# Altium PCB betrusted_evt2b.PcbDoc (part 6 of 6)
Units mm, origin at the board's own origin, x right, y up, seen from the top; angles counter-clockwise.
Board outline 61.95 x 62.6 mm, 6 copper layers (L1, L2, L3, L6, L7, L8), stack 0.691 mm thick; 387 components, 291 nets, 1871 pads, 1866 vias.
Unrouted connection lines stored in the file: 41.
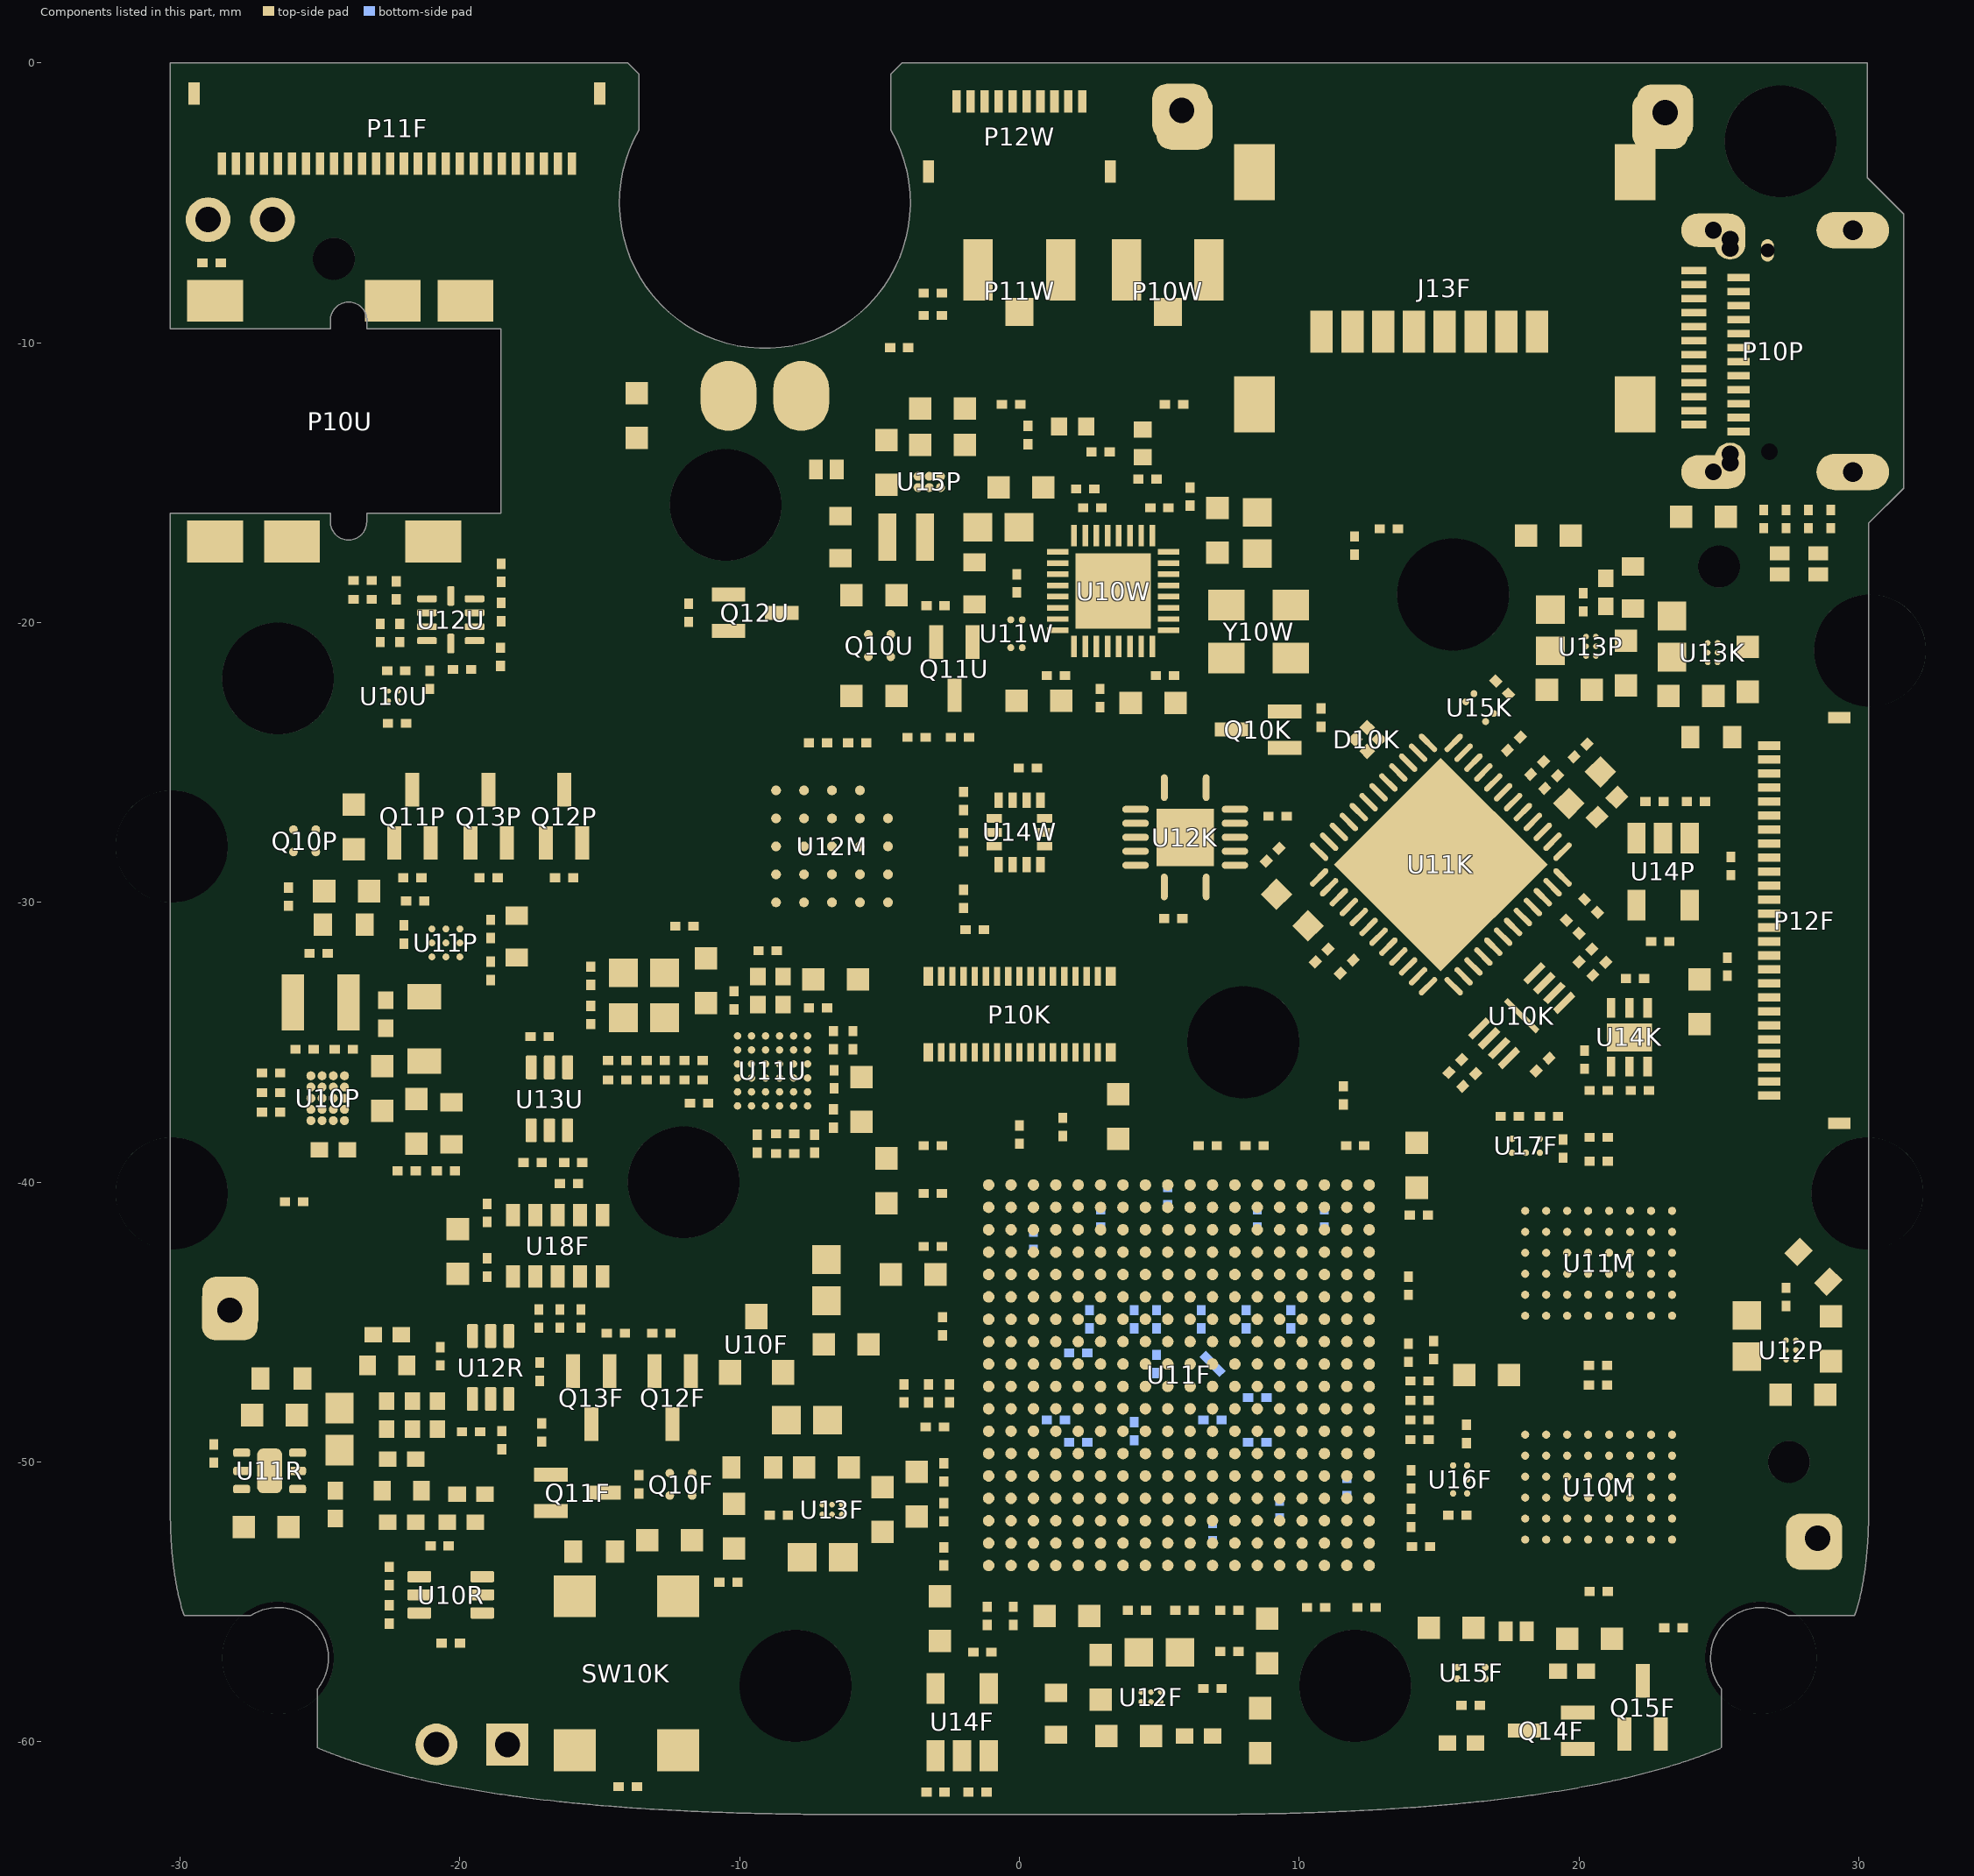
[diagram p10: the components of this part, seen from the top]

## Silkscreen, mask and mechanical layers (free items; w line width, h text height) (continued)
Fab drawing:
  drawing of 419 lines, arcs and shapes, not listed
  text "Layer" at 50.472,13.521 h1
  text "Name" at 57.479,13.521 h1
  text "Material" at 72.15,13.521 h1
  text "Thickness" at 82.322,13.521 h1
  text "Constant" at 93.327,13.521 h1
  text "Gerber" at 103,13.521 h1
  text "Board Layer Stack" at 111.006,13.521 h1
  text "TopOverlay" at 57.479,11.521 h1
  text "GTO" at 103,11.521 h1
  text "TopSolder" at 57.479,9.521 h1
  text "SM-001" at 72.15,9.521 h1
  text "0.025mm" at 82.322,9.521 h1
  text "4" at 93.327,9.521 h1
  text "GTS" at 103,9.521 h1
  text "1" at 50.472,7.521 h1
  text "L1" at 57.479,7.521 h1
  text "Copper" at 72.15,7.521 h1
  text "0.036mm" at 82.322,7.521 h1
  text "GTL" at 103,7.521 h1
  text "Signal" at 42.55,7.15 h1
  text "0.018mm + 0.018mm plating" at 129.45,7 h1
  text "SE 50 ohm - 0.298mm - L1 only" at 3.625,5.925 h1
  text "Dielectric1" at 57.479,5.521 h1
  text "PP-006" at 72.15,5.521 h1
  text "0.071mm" at 82.322,5.521 h1
  text "4.1" at 93.327,5.521 h1
  text "2" at 50.472,3.521 h1
  text "L2" at 57.479,3.521 h1
  text "Copper" at 72.15,3.521 h1
  text "0.036mm" at 82.322,3.521 h1
  text "G1" at 103,3.521 h1
  text "Signal" at 42.55,3.15 h1
  text "0.018mm + 0.018mm plating" at 129.425,3.1 h1
  text "Dielectric 4" at 57.479,1.521 h1
  text "PP-006" at 72.15,1.521 h1
  text "0.071mm" at 82.322,1.521 h1
  text "4.1" at 93.327,1.521 h1
  text "3" at 50.472,-0.479 h1
  text "L3" at 57.479,-0.479 h1
  text "Copper" at 72.15,-0.479 h1
  text "0.018mm" at 82.322,-0.479 h1
  text "GP1" at 103,-0.479 h1
  text "Plane" at 42.55,-0.85 h1
  text "Dielectric2" at 57.479,-2.479 h1
  text "Core-027" at 72.15,-2.479 h1
  text "0.229mm" at 82.322,-2.479 h1
  text "4.5" at 93.327,-2.479 h1
  text "4" at 50.472,-4.479 h1
  text "L6" at 57.479,-4.479 h1
  text "Copper" at 72.15,-4.479 h1
  text "0.018mm" at 82.322,-4.479 h1
  text "GP2" at 103,-4.479 h1
  text "Plane" at 42.4,-4.975 h1
  text "Dielectric3" at 57.479,-6.479 h1
  text "PP-006" at 72.15,-6.479 h1
  text "0.071mm" at 82.322,-6.479 h1
  text "4.1" at 93.327,-6.479 h1
  text "5" at 50.472,-8.479 h1
  text "L7" at 57.479,-8.479 h1
  text "Copper" at 72.15,-8.479 h1
  text "0.036mm" at 82.322,-8.479 h1
  text "G2" at 103,-8.479 h1
  text "0.018mm + 0.018mm plating" at 129.35,-8.9 h1
  text "Signal" at 42.4,-8.975 h1
  text "Dielectric 5" at 57.479,-10.479 h1
  text "PP-006" at 72.15,-10.479 h1
  text "0.071mm" at 82.322,-10.479 h1
  text "4.1" at 93.327,-10.479 h1
  text "6" at 50.472,-12.479 h1
  text "L8" at 57.479,-12.479 h1
  text "Copper" at 72.15,-12.479 h1
  text "0.036mm" at 82.322,-12.479 h1
  text "GBL" at 103,-12.479 h1
  text "Signal" at 42.4,-12.975 h1
  text "0.018mm + 0.018mm plating" at 129.45,-13 h1
  text "BottomSolder" at 57.479,-14.479 h1
  text "SM-001" at 72.15,-14.479 h1
  text "0.025mm" at 82.322,-14.479 h1
  text "4" at 93.327,-14.479 h1
  text "GBS" at 103,-14.479 h1
  text "BottomOverlay" at 57.479,-16.479 h1
  text "GBO" at 103,-16.479 h1
  text "Thickness: 0.75mm +/- 0.1mm" at 50.35,-19.42 h1
  text "Soldermask: green / Silk: white" at 50.6,-22.17 h1
  text "Soldermask defined pads: min 8 mil (0.2mm)" at 39.45,-32.691 h1
  text "opening, 12 mil (0.3mm) copper" at 39.45,-34.704 h1
  text "M1.4 washer: 4.2+/-0.1mm dia" at 39.025,-47.15 h1
3D Notes:
  drawing of 223 lines, arcs and shapes, not listed
  text "battery: 60(+2) x 61 wide x 3mm thick (max dim, no tolerance)" at -44.9,-0.2 h0.3
  text "LCD FPC mating line" at -10.5,-3.2 h0.3
  text "3.2mm dia boss flush + screw + washer" at 31.1,-3.3 h0.3
  text "FPC connector entry edge" at -11.1,-4.9 h0.3
  text "65mm to v1 speakerbox from this line" at -43.3,-5.8 h0.3
  text "2.3mm clearance to LCD" at -7.1,-6.1 h0.3
  text "LCD glass edge (final - need to stretch \"up\" by 2mm))" at -16.1,-8 h0.3
  text "LCD glass edge (v1)" at -3,-10 h0.3
  text "Keyboard PCB edge" at 21.6,-16.4 h0.3
  text "3.2mm dia boss through to kbd + nut" at -6.7,-16.7 h0.3
  text "Key cap edge" at -24.2,-18.7 h0.3
  text "1.4mm locator peg" at 21.5,-19.6 h0.3
  text "3.2mm dia boss to kbd no nut" at 13.2,-22.2 h0.3
  text "Mid-frame construction" at 47.3,-23.3 h0.3
  text "Combo front/mid-frame unibody" at 68.7,-23.3 h0.3
  text "3.2mm dia boss flush + screw + washer" at -24.6,-23.7 h0.3
  text "1.5mm clearance to keyboard" at -1.3,-24 h0.3
  text "Bezel" at 47.4,-24.9 h0.3
  text "Bezel" at 68.6,-24.9 h0.3
  text "Mainboard" at 51.1,-25.8 h0.3
  text "Mainboard" at 72.3,-25.8 h0.3
  text "Al side" at 44.8,-27.1 h0.3
  text "Component area / 1.5mm max height" at 53.1,-27.3 h0.3
  text "Al body" at 66,-27.3 h0.3
  text "Component area / 1.5mm max height" at 74.3,-27.3 h0.3
  text "Keyboard" at 51.2,-28.2 h0.3
  text "Keyboard" at 72.4,-28.2 h0.3
  text "Bezel" at 47.4,-29.7 h0.3
  text "Keycap" at 51.4,-30 h0.3
  text "Keycap" at 72.6,-30 h0.3
  text "Dome switch" at 56.1,-31 h0.3
  text "Dome switch" at 77.3,-31 h0.3
  text "M1.4" at 59.6,-47.1 h1
  text "2.5mm" at 57.7,-51.2 h1
  text "Insert nut" at 67.4,-56.1 h1
  text "3.2mm dia boss through to kbd + nut" at -24,-57 h0.3
  text "3.2mm dia boss through to kbd + nut" at 15.7,-57.1 h0.3
  text "2.1mm" at 57.3,-61.5 h1
  text "3.2mm dia boss flush + screw + washer" at -3.1,-61.6 h0.3
  text "2.5mm" at 40,-66.5 h1
  text "3.8mm" at 59,-67.2 h1
  text "Plastic boss dimenisons" at 67.2,-69.4 h1

## Dimensions
5.1,-4.4 to 5.2,-3.1 on 3D Notes
4.3,-8.1 to 5.2,-3.1 on 3D Notes